# Altium PCB LM-003.PcbDoc (part 1 of 2)
Units mm, origin at the board's own origin, x right, y up, seen from the top; angles counter-clockwise.
Board outline 77.62 x 215.9 mm, 4 copper layers (Top Layer, +5V, Mid-Layer 2, Bottom Layer), stack 0.778 mm thick; 180 components, 143 nets, 700 pads, 27 vias.
Unrouted connection lines stored in the file: 179.
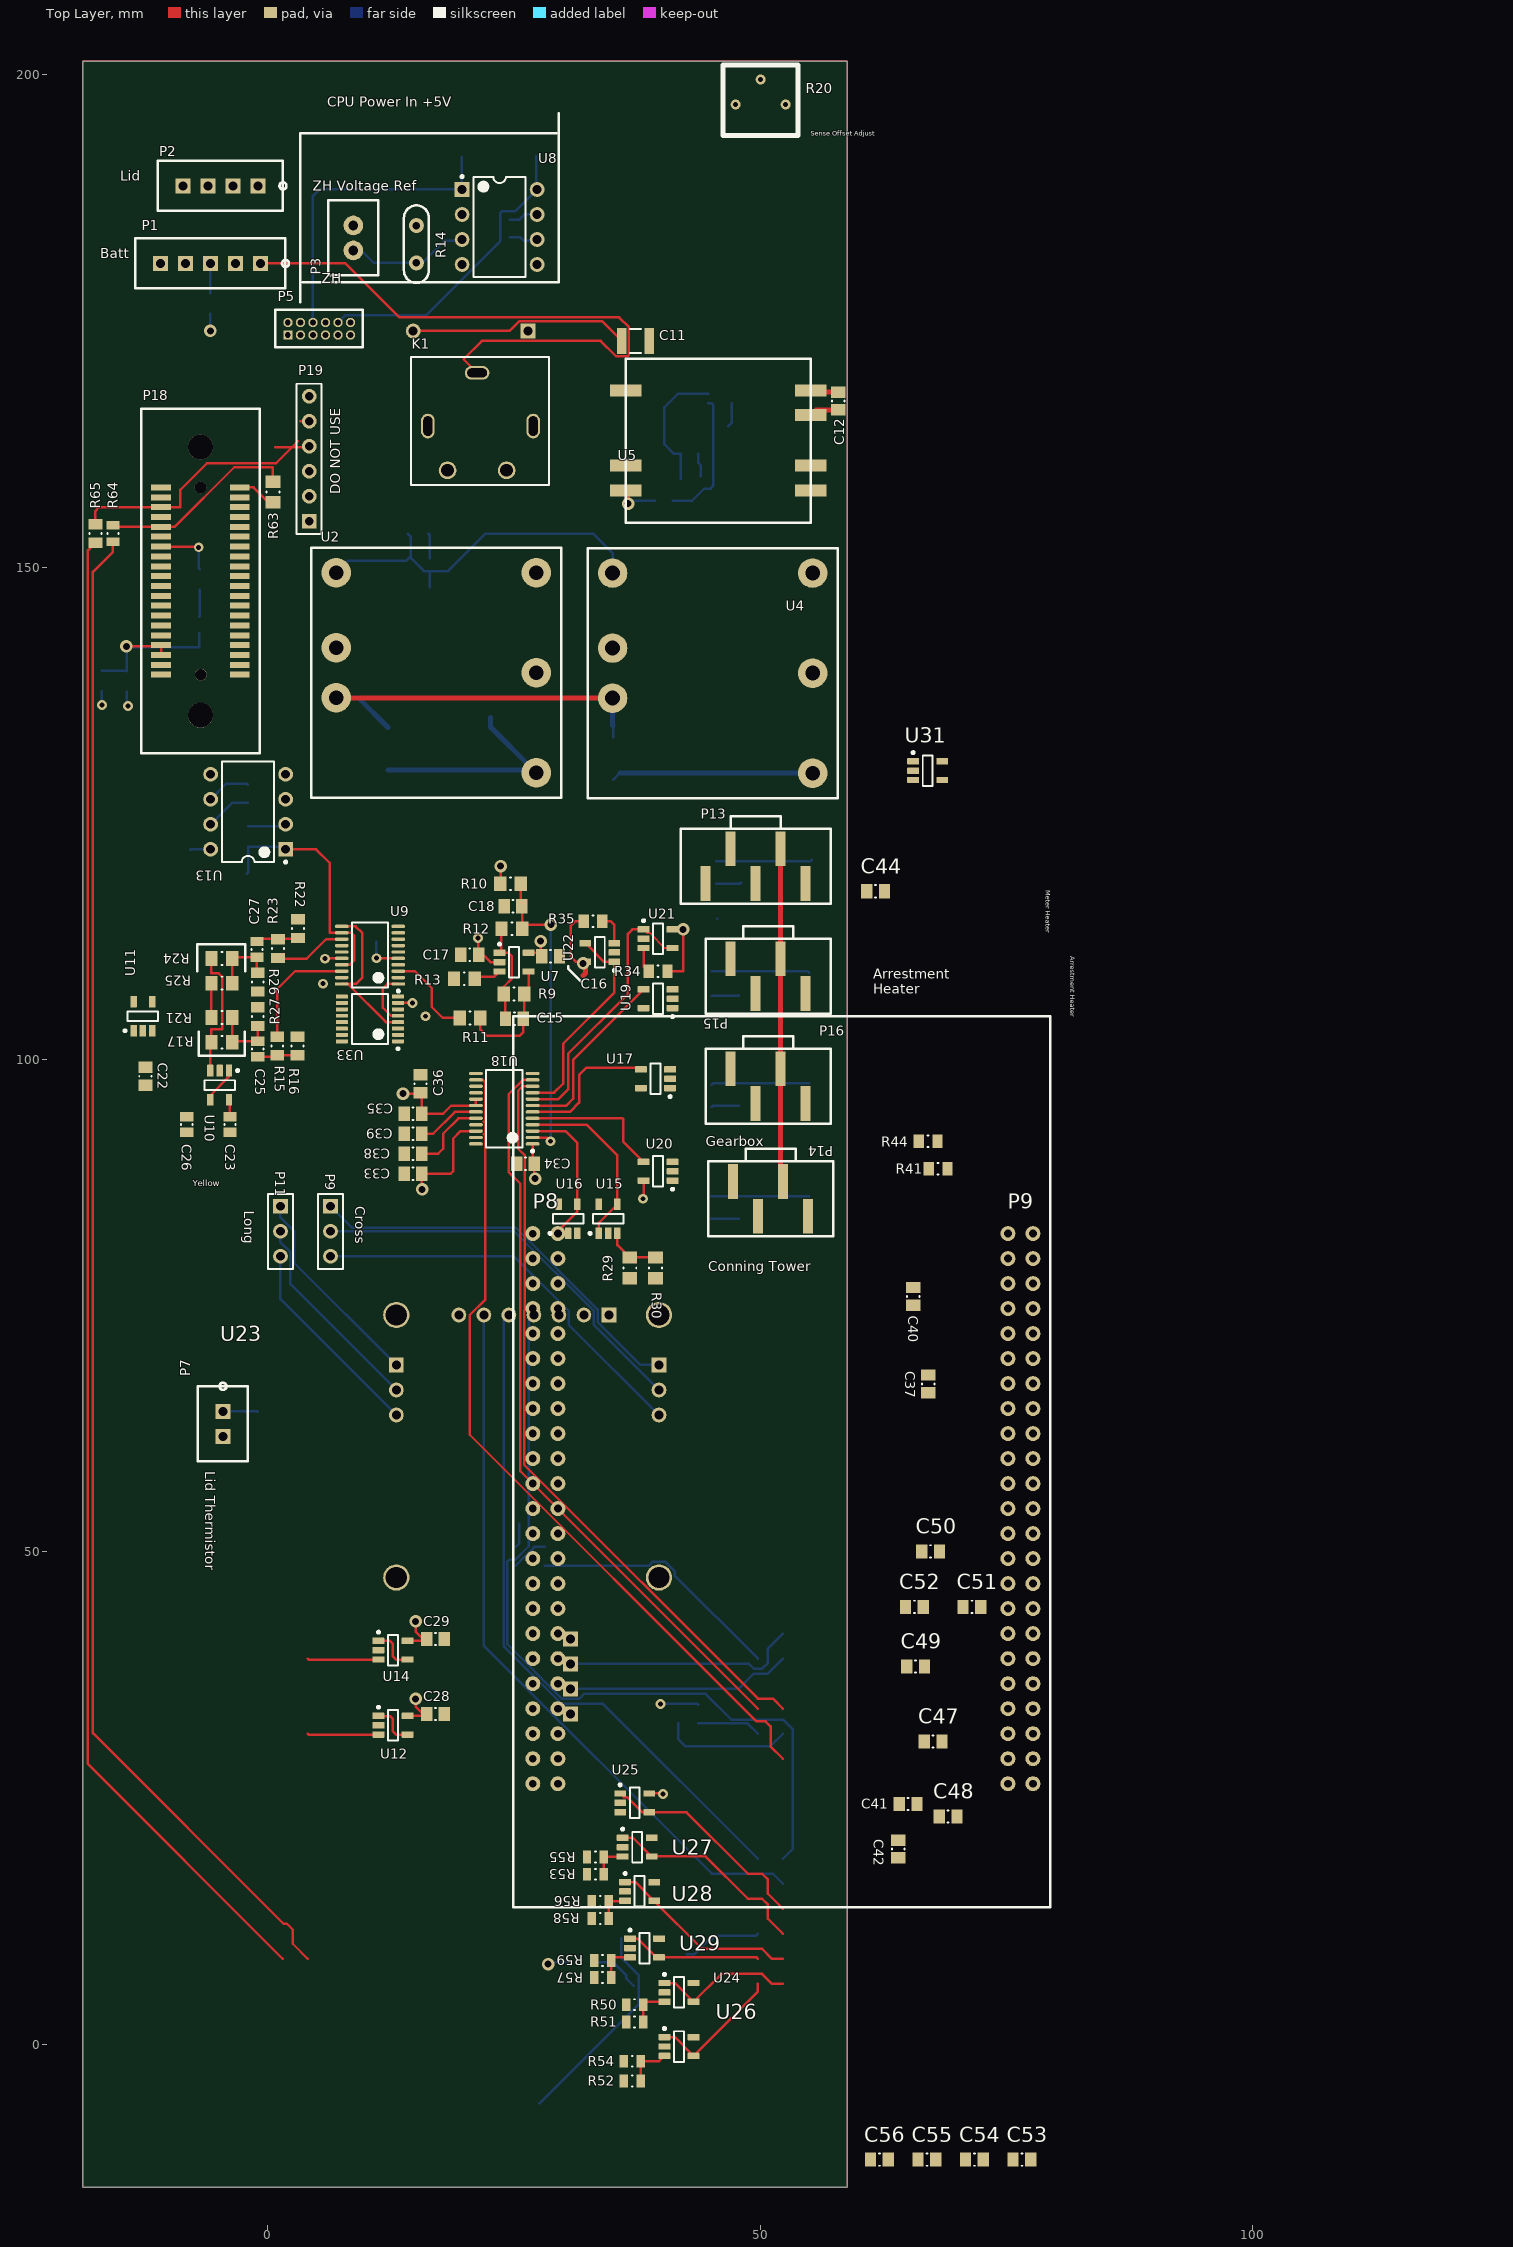
[diagram p0: Top Layer view]
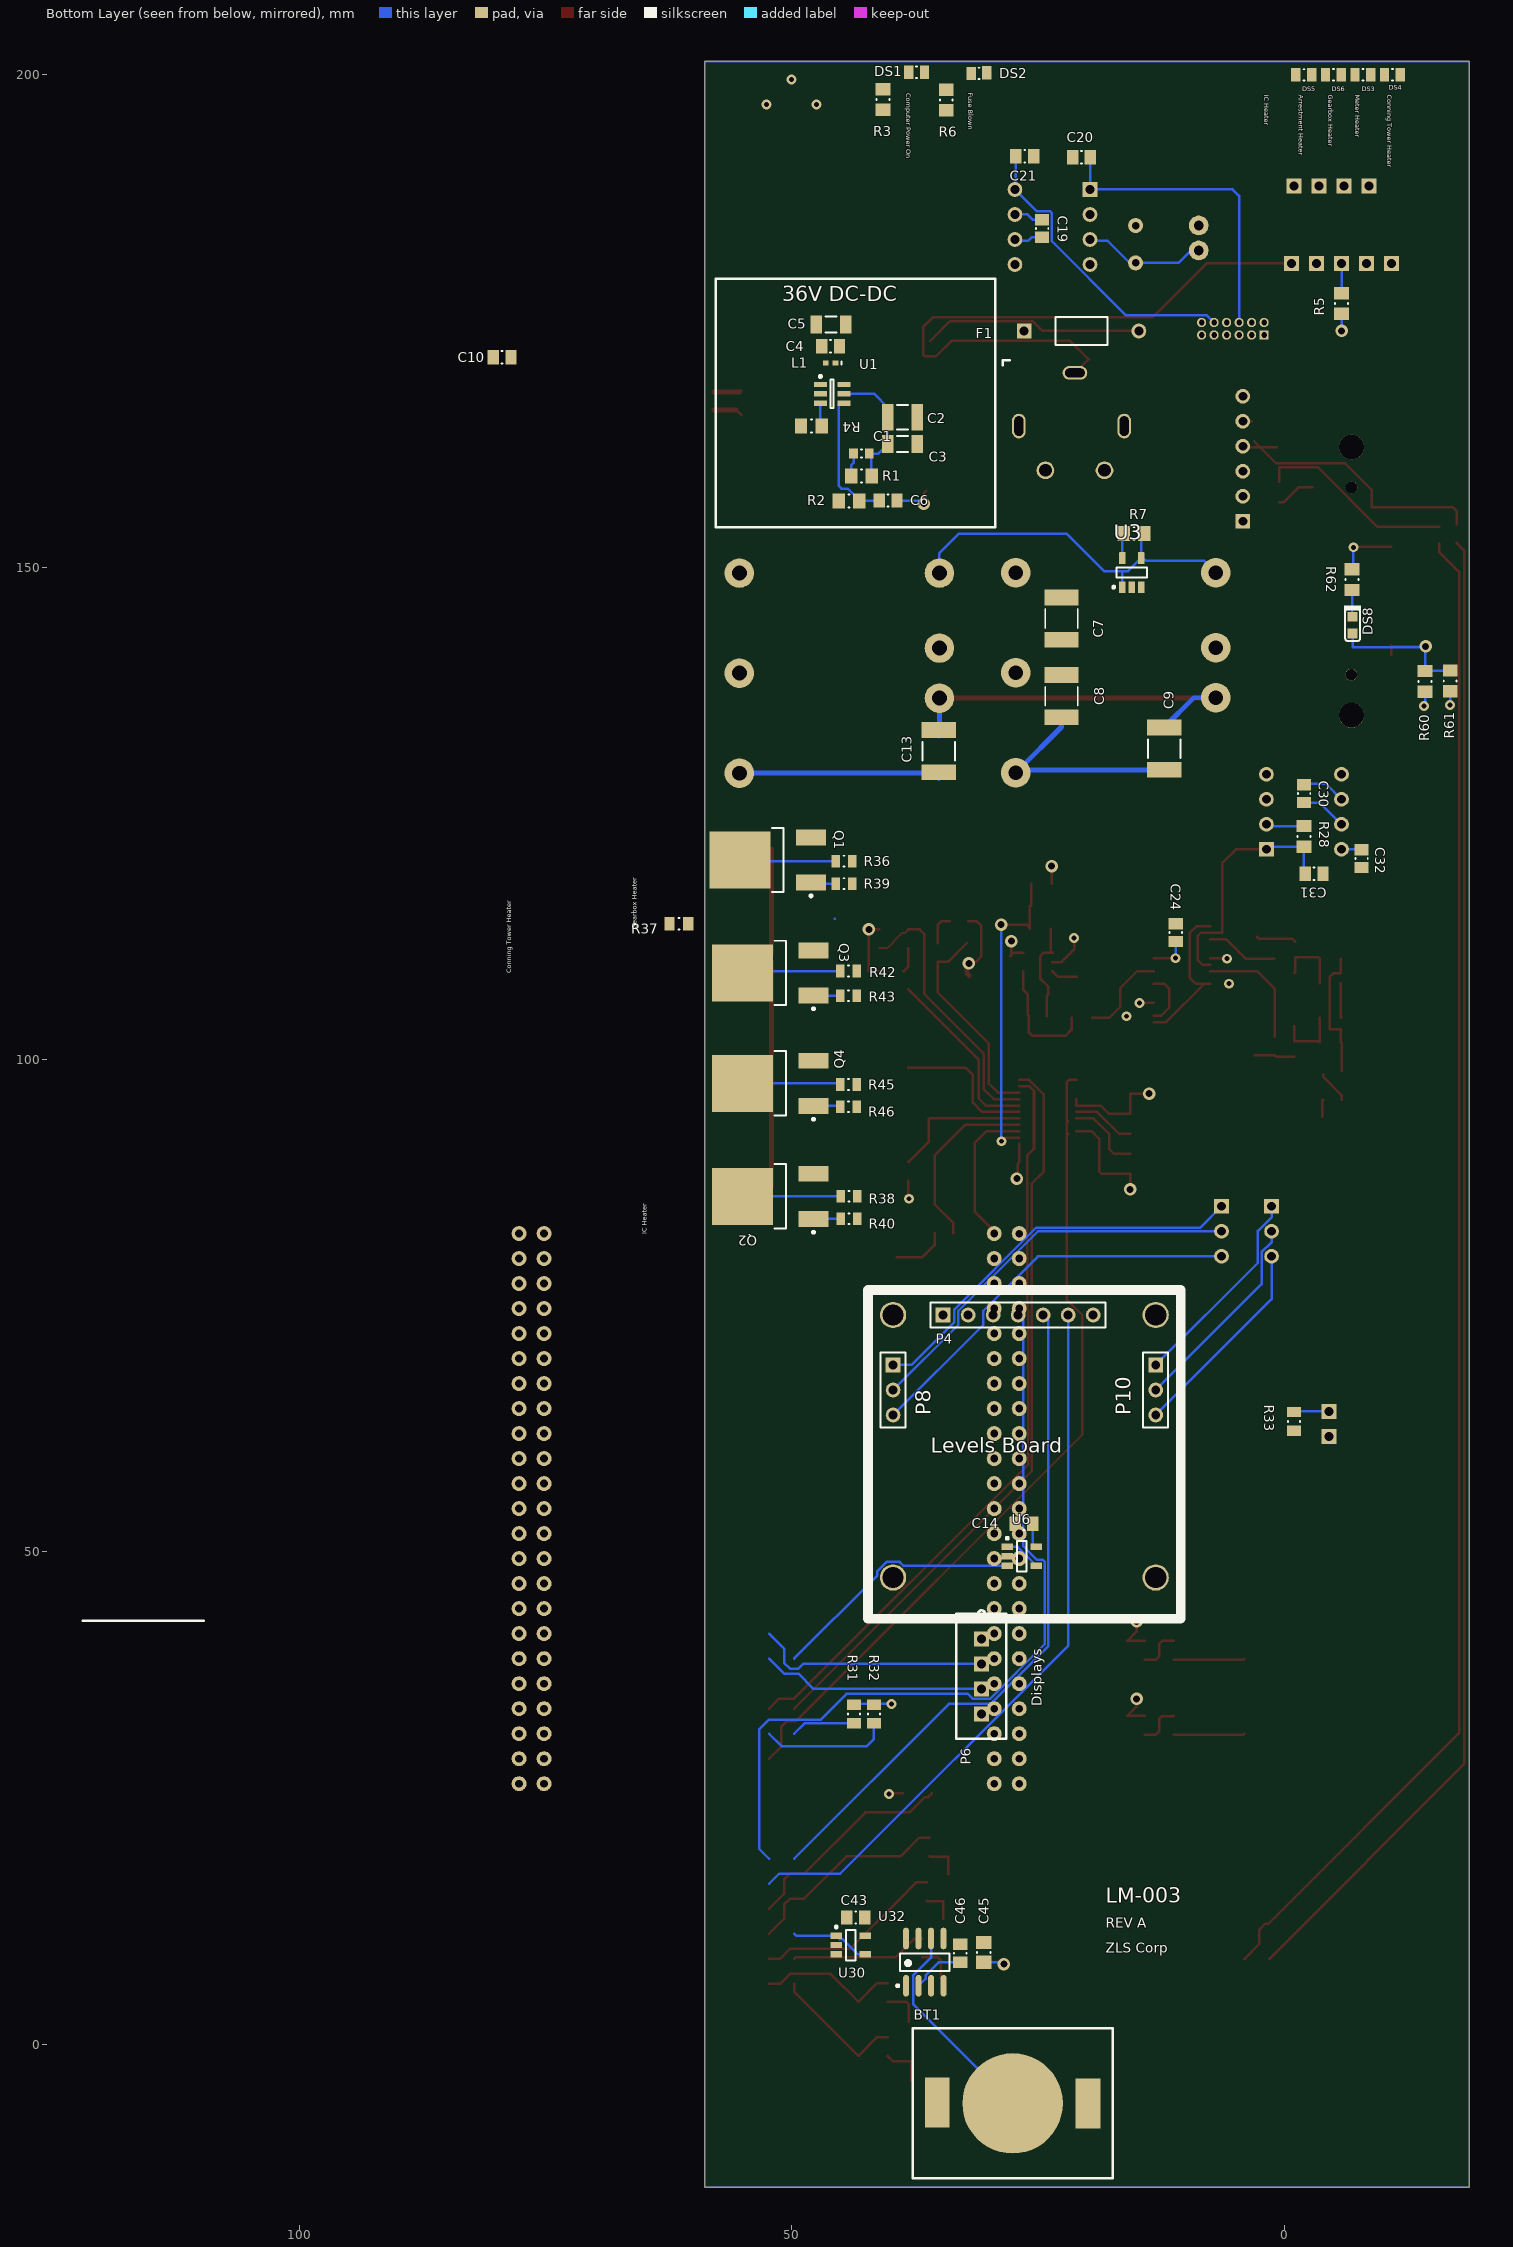
[diagram p1: Bottom Layer view, seen from below]
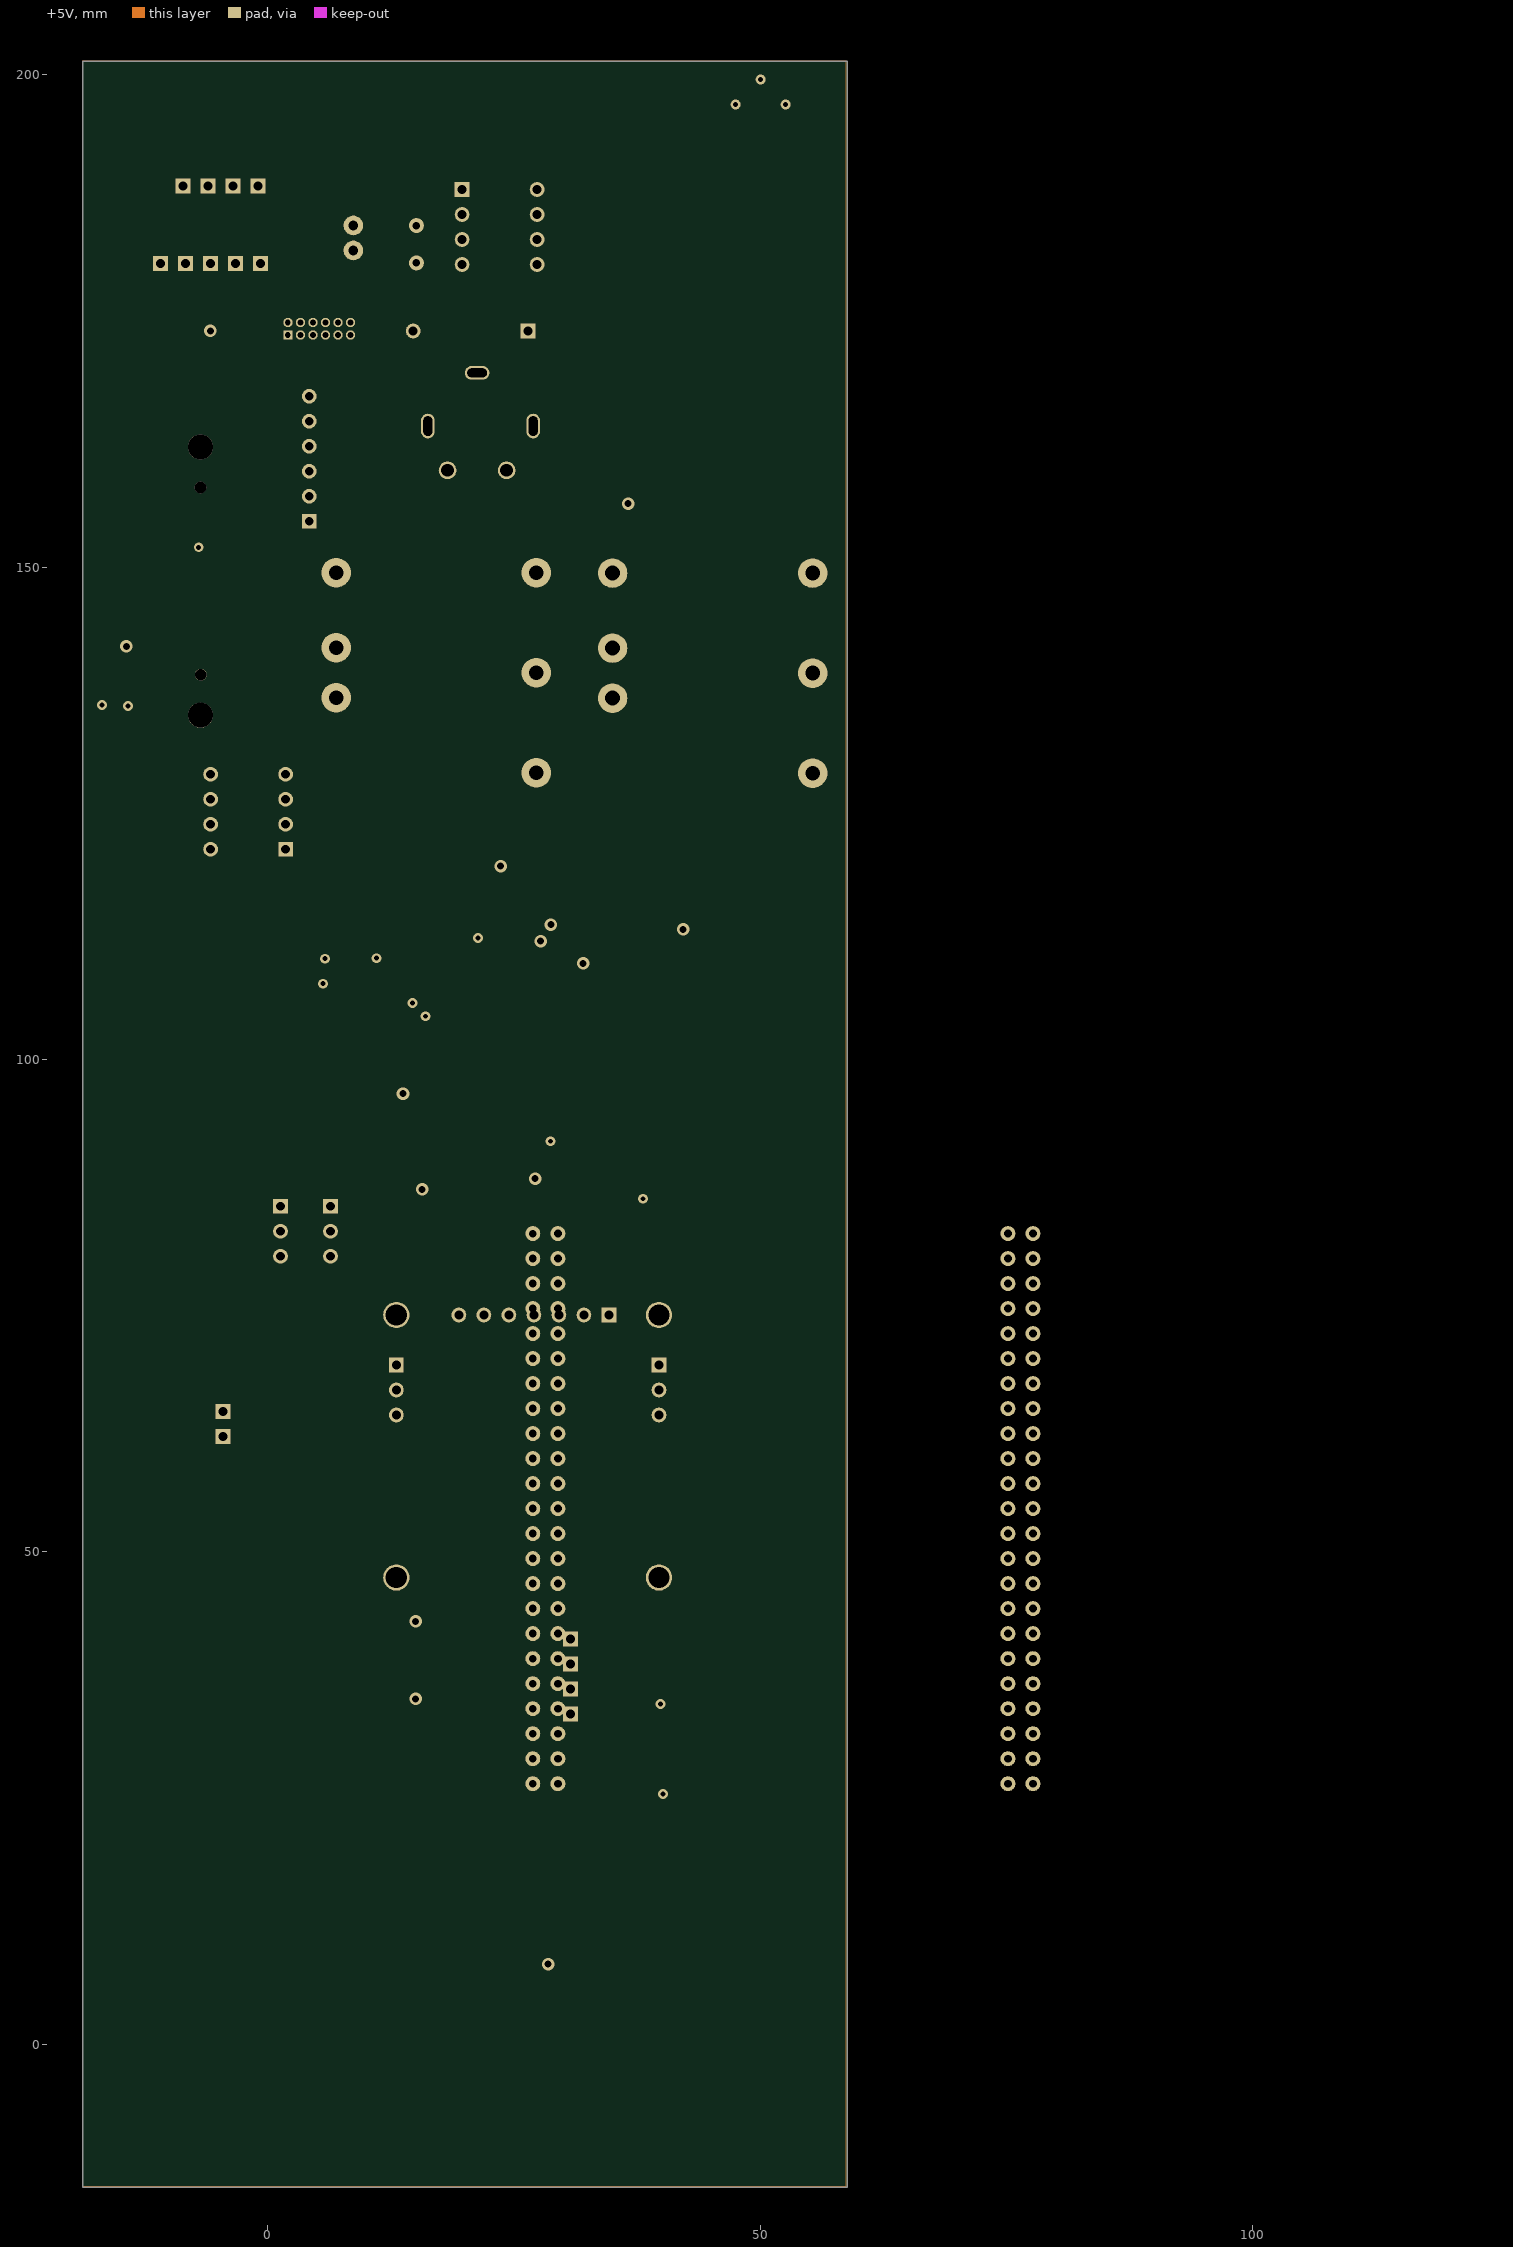
[diagram p2: +5V]

## Layer stack, top to bottom
Top Solder: solder mask 0.0102, Solder Resist, Dk 3.5
Top Layer: signal copper 0.0356
Dielectric 1: core 0.254, FR-4, Dk 4.2
+5V: signal copper 0.036
Dielectric 6: prepreg 0.127, Dk 4.2
Mid-Layer 2: signal copper 0.0356
Dielectric 5: core 0.254, Dk 4.2
Bottom Layer: signal copper 0.0356
Bottom Solder: solder mask 0.0102, Solder Resist, Dk 3.5

## Board outline
-18.796,-14.529 58.822,-14.529 58.822,201.371 -18.796,201.371

## Design rules (kind name [scope] priority, off if disabled: settings)
Clearance [All] p1: gap=0.127 ignorepadtopadclearanceinfootprint=FALSE except(0: Arc-Hole Track-Hole SMDPad-Hole THPad-Hole Via-Hole Fill-Hole Poly-Hole Region-Hole Text-Hole)
ComponentClearance [All] p1: gap=0.229 collisioncheckmode=3 verticalgap=0.254 showdistances=FALSE
HoleSize [All] p1: absolutevalues=TRUE maxlimit=5 minlimit=0.254 maxpercent=80.000 minpercent=20.000
MinimumAnnularRing [All] p1: minimumring=0.178
MinimumSolderMaskSliver [All] p1: minsoldermaskwidth=0.038
PolygonConnect [All] p1: connectstyle=Relief reliefconductorwidth=0.254 reliefentries=4 polygonreliefangle="90 Angle" airgapwidth=0.254
RoutingVias [All] p1: holewidth=0.3 width=0.7 viastyle="Through Hole" minholewidth=0.1 minwidth=0.6 maxholewidth=0.711 maxwidth=1.27
SilkToSilkClearance [All] p1: silktosilkclearance=0.1
SilkToSolderMaskClearance [IsPad] p1: minsilkscreentomaskgap=0.064 clearancetoexposedcopper=TRUE
SolderMaskExpansion [All] p1: expansion=0.152
Width [All] p1: maxlimit=1 minlimit=0.127 preferedwidth=0.254
25 further rules are at their usual default settings.

## Classes and differential pairs
component class RS232: DS8 P18 P19 R60 R61 R62 R63 R64 R65
component class "Real Time Clock": BT1 C44 C45 C46 U31 U32
component class Power: C1 C2 C3 C4 C5 C6 C7 C8 C9 C10 C11 C12 C13 DS1 DS2 F1 K1 L1 P1 P2 R1 R2 R3 R4 R5 R6 R7 U1 U2 U3 U4 U5
component class "Power Monitor": C41 C42 C43 C53 C54 C55 C56 R50 R51 R52 R53 R54 R55 R56 R57 R58 R59 U24 U25 U26 U27 U28 U29 U30
component class heater_control: DS3 DS4 DS5 DS6 P13 P14 P15 P16 Q1 Q2 Q3 Q4 R34 R35 R36 R37 R38 R39 R40 R41 R42 R43 R44 R45 R46
component class FeedbackLoop: C14 C15 C16 C17 C18 C19 C20 C21 C22 C23 C24 C25 C26 C27 C28 C29 C30 C31 C32 P3 R9 R10 R11 R12 R13 R14 R15 R16 R17 R18 R20 R21 R22 R23 R24 R25 R26 R27 R28 TP5 TP10 TP11 TP12 TP13 TP20 TP25 U6 U7 U8 U9 U10 U11 U12 U13 U14 U33
component class Connectors: P4 P5 P6 P7 P8 P9 P10 P11 R33
component class "BBB Headers": R31 R32 U23
component class ADC: C33 C34 C35 C36 C37 C38 C39 C40 C47 C48 C49 C50 C51 C52 R29 R30 TP6 TP7 TP8 TP9 U15 U16 U17 U18 U19 U20 U21 U22

## Components (designator, comment, footprint, x,y, rotation, side; value= is the part's Value field where it differs from the comment)
BT1 "Battery Holder - BK-916-TR" BK-916-TR 27.567,-6.029 r180 bottom
C1 "CAP CER 22PF 50V X7R 0603" CAPC0603(1608)100_N 42.926,161.544 r180 bottom
C2 "CAP CER 1UF 50V X7R 1210" CAPC1210(3225)100_N 38.76,165.227 r0 bottom
C3 "CAP CER 0.47UF 50V X7R 1206" CAPC1206(3216)190_N 38.746,162.503 r0 bottom
C4 "CAP CER 1UF 16V X7R 0805" CAPC0805(2012)145_N 46.046,172.453 r180 bottom
C5 "CAP CER 4.7UF 16V X7R 1206" CAPC1206(3216)130_N 46.025,174.65 r180 bottom
C6 "CAP CER 0.047UF 16V X7R 0603" CAPC0805(2012)145_N 40.208,156.769 r0 bottom
C7 "CAP CER 470PF 3KV X7R 1812" CAPC1812(4532)230_M 22.606,144.78 r270 bottom
C8 "DNP" CAPC1812(4532)230_M 22.606,136.906 r90 bottom
C9 "CAP CER 470PF 3KV X7R 1812" CAPC1812(4532)230_M 12.192,131.572 r270 bottom
C10 "CAP CER 10000PF 25V X7R 0805" CAPC0805(2012)145_N 79.426,171.323 r180 bottom
C11 "CAP CER 1UF 50V X7R 1210" CAPC1210(3225)100_L 37.338,172.974 r180 top
C12 "CAP CER 10UF 10V X7R 0805" CAPC0805(2012)145_N 57.912,166.878 r90 top
C13 "CAP CER 470PF 3KV X7R 1812" CAPC1812(4532)230_M 35.052,131.318 r270 bottom
C14 "CAP 100nF 25V 0805(2012)" CAPC0805(2012)100_N 26.416,52.832 r0 bottom
C15 "CAP CER 0.47UF 25V X7R 0805" CAPC0805(2012)145_N 25.019,104.14 r180 top
C16 "CAP CER 0.1UF 16V X7R 0805" CAPC0805(2012)145_N 28.702,110.49 r0 top
C17 "CAP CER 0.1UF 25V X7R 0805" CAPC0805(2012)145_N 20.496,110.639 r0 top
C18 "CAP CER 10PF 200V C0G/NP0 0805" CAPC0805(2012)145_N 24.892,115.57 r180 top
C19 "CAP 100nF 25V 0805(2012)" CAPC0805(2012)100_N 24.578,184.401 r270 bottom
C20 "CAP CER 0.1UF 25V X7R 0805" CAPC0805(2012)145_N 20.574,191.643 r0 bottom
C21 "Multilayer Ceramic Capacitors MLCC - SMD/SMT 0.01uF 50volts 10% X7R" CAPC0805(2012)145_N 26.34,191.745 r180 bottom
C22 "CAP CER 0.1UF 25V X7R 0805" CAPC0805(2012)145_N -12.446,98.298 r90 top
C23 "CAP CER 0.1UF 25V X7R 0805" CAPC0805(2012)155_L -3.861,93.398 r90 top
C24 "CAP CER 0.1UF 25V X7R 0805" CAPC0805(2012)145_N 10.998,112.879 r90 bottom
C25 "CAP CER 1UF 25V X7R 0805" CAPC0805(2012)155_L -1.041,101.067 r270 top
C26 "CAP CER 0.1UF 25V X7R 0805" CAPC0805(2012)155_L -8.255,93.398 r90 top
C27 "CAP CER 1UF 25V X7R 0805" CAPC0805(2012)155_L -1.118,111.176 r90 top
C28 "CAP CER 0.1UF 16V X7R 0805" CAPC0805(2012)145_N 17.018,33.528 r0 top
C29 "CAP CER 0.1UF 16V X7R 0805" CAPC0805(2012)145_N 17.018,41.148 r0 top
C30 "CAP 100nF 25V 0805(2012)" CAPC0805(2012)100_N -2.032,127 r90 bottom
C31 "CAP CER 0.1UF 25V X7R 0805" CAPC0805(2012)145_N -3.048,118.872 r180 bottom
C32 "Multilayer Ceramic Capacitors MLCC - SMD/SMT 0.01uF 50volts 10% X7R" CAPC0805(2012)145_N -7.874,120.396 r270 bottom
C33 "CAP CER 0.1UF 25V X7R 0805" CAPC0805(2012)145_N 14.732,88.392 r180 top
C34 "CAP CER 0.1UF 25V X7R 0805" CAPC0805(2012)145_N 26.162,89.408 r180 top
C35 "CAP CER 0.1UF 25V X7R 0805" CAPC0805(2012)145_N 14.732,94.488 r180 top
C36 "CAP CER 0.1UF 25V X7R 0805" CAPC0805(2012)145_N 15.494,97.536 r90 top
C37 "CAP CER 0.1UF 16V X7R 0805" CAPC0805(2012)145_N 67.056,67.056 r270 top
C38 "CAP CER 1UF 16V X7R 0805" CAPC0805(2012)145_N 14.732,90.424 r180 top
C39 "CAP CER 0.1UF 16V X7R 0805" CAPC0805(2012)145_N 14.732,92.456 r180 top
C40 "CAP CER 0.1UF 16V X7R 0805" CAPC0805(2012)145_N 65.532,75.946 r270 top
C41 "CAP CER 0.1UF 25V X7R 0805" CAPC0805(2012)145_N 65.024,24.384 r180 top
C42 "CAP CER 0.1UF 25V X7R 0805" CAPC0805(2012)145_N 64.008,19.812 r270 top
C43 "CAP CER 0.1UF 16V X7R 0805" CAPC0805(2012)145_N 43.505,12.851 r180 bottom
C44 "CAP CER 0.1UF 16V X7R 0805" CAPC0805(2012)145_N 61.722,117.094 r0 top
C45 "CAP 1uF 25V 0805(2012)" CAPC0805(2012)100_M 30.492,9.321 r90 bottom
C46 "CAP 100nF 25V 0805(2012)" CAPC0805(2012)100_N 32.892,9.221 r90 bottom
C47 "CAP CER 0.1UF 16V X7R 0805" CAPC0805(2012)145_N 67.564,30.734 r0 top
C48 "CAP CER 0.1UF 16V X7R 0805" CAPC0805(2012)145_N 69.088,23.114 r0 top
C49 "CAP CER 0.1UF 16V X7R 0805" CAPC0805(2012)145_N 65.786,38.354 r0 top
C50 "CAP CER 0.1UF 16V X7R 0805" CAPC0805(2012)145_N 67.31,50.038 r0 top
C51 "CAP CER 0.1UF 16V X7R 0805" CAPC0805(2012)145_N 71.492,44.399 r0 top
C52 "CAP CER 0.1UF 16V X7R 0805" CAPC0805(2012)145_N 65.65,44.399 r0 top
C53 "CAP CER 0.1UF 16V X7R 0805" CAPC0805(2012)145_N 76.572,-11.735 r0 top
C54 "CAP CER 0.1UF 16V X7R 0805" CAPC0805(2012)145_N 71.746,-11.735 r0 top
C55 "CAP CER 0.1UF 16V X7R 0805" CAPC0805(2012)145_N 66.92,-11.735 r0 top
C56 "CAP CER 0.1UF 16V X7R 0805" CAPC0805(2012)145_N 62.094,-11.735 r0 top
DS1 "Lite-On LTST-S220KGKT Green LED, 571 nm 2012 (0805) Side View, Rectangle Lens SMD package" 0805C_L#1 37.317,200.28 r0 bottom
DS2 "Lite-On LTST-S220KGKT Green LED, 571 nm 2012 (0805) Side View, Rectangle Lens SMD package" 0805C_L#2 30.988,200.152 r0 bottom
DS3 "Visible Name Value Type    False Description Lite-On LTST-S220KRKT Red LED, 631 nm 2012 (0805) Side View, Rectangle Lens SMD package STRING" 0805C_L#1 -8,200 r0 bottom
DS4 "Visible Name Value Type    False Description Lite-On LTST-S220KRKT Red LED, 631 nm 2012 (0805) Side View, Rectangle Lens SMD package STRING" 0805C_L#1 -11,200 r0 bottom
DS5 "Visible Name Value Type    False Description Lite-On LTST-S220KRKT Red LED, 631 nm 2012 (0805) Side View, Rectangle Lens SMD package STRING" 0805C_L#1 -2,200 r0 bottom
DS6 "Visible Name Value Type    False Description Lite-On LTST-S220KRKT Red LED, 631 nm 2012 (0805) Side View, Rectangle Lens SMD package STRING" 0805C_L#1 -5,200 r0 bottom
DS8 "Blue LED" KING-LED0603-25-GREEN_V -6.96,144.12 r270 bottom
F1 "Fuse 1" PIN-W2/E2.8 20.574,173.99 r180 bottom
K1 "CP1-12V" PNSC-CP1-12V_V 21.59,164.338 r180 top
L1 "FIXED IND 47UH 170MA 1.3 OHM SMD" 0402-A 46.05,170.739 r0 bottom
P1 "IPL1-105-01-F-S-RA-K" IPL1-105-1 -0.762,180.848 r180 top
P2 "IPL1-104-01-L-S-RA-K" IPL1-104-01 -1.016,188.722 r180 top
P3 "LOW PROFILE .025\" SQUARE STRIPS" CES-102-01-L-S 8.67,182.171 r90 top
P4 "Header 7" HDR1X7 34.63,74.05 r180 bottom
P5 "FTE-106-01-G-DV" FTSH-106-01 2.032,173.584 r0 top
P6 "IPL1-104-01-L-S-RA-K" IPL1-104-01 30.734,41.148 r270 bottom
P7 "IPL1-102-01-L-S-RA-K" IPL1-102-01 -4.572,62.992 r270 top
P8 "Header 3" HDR1X3 39.71,68.97 r270 bottom
P9 "Header 3" HDR1X3 6.35,85.09 r270 top
P10 "Header 3" HDR1X3 13.04,68.97 r270 bottom
P11 "Header 3" HDR1X3 1.27,85.09 r270 top
P13 "IPL1-105-02-F-S-K" IPL1-105-02-F-S-K 54.61,119.634 r180 top
P14 "IPL1-104-02-F-S-K" IPL1-104-02-F-S 54.864,85.852 r180 top
P15 "IPL1-104-02-F-S-K" IPL1-104-02-F-S 54.61,108.458 r180 top
P16 "IPL1-104-02-F-S-K" IPL1-104-02-F-S 54.61,97.282 r180 top
P18 "FSI-120-03-G-D-E-AB" FSI-120-03-G-D-E-AB -6.858,148.59 r90 top
P19 "Header 100 mil (2.54 mm)" HDR1X6 4.191,154.661 r90 top
Q1 "NTD4804NT4G" ONSC-DPAK-3-369AA-01_V 52.45,120.262 r0 bottom
Q2 "NTD4804NT4G" ONSC-DPAK-3-369AA-01_V 52.196,86.095 r0 bottom
Q3 "NTD4804NT4G" ONSC-DPAK-3-369AA-01_V 52.196,108.788 r0 bottom
Q4 "NTD4804NT4G" ONSC-DPAK-3-369AA-01_V 52.196,97.569 r0 bottom
R1 "RES SMD 280K OHM 1% 1/8W 0805" RESC0805(2012)_M 42.926,159.258 r0 bottom
R2 "RES SMD 0.0 OHM JUMPER 1/8W 0805" RESC0805(2012)_M 44.196,156.718 r180 bottom
R3 "RES SMD 10K OHM 1% 1/8W 0805" RESC0805(2012)_M 40.75,197.5 r90 bottom
R4 "RES SMD 10K OHM 1% 1/8W 0805" RESC0805(2012)_M 48.006,164.338 r0 bottom
R5 "300K 5% 0805(2012)" RESC0805(2012)_M -5.842,176.784 r270 bottom
R6 "RES SMD 4.7K OHM 1% 1/8W 0805" RESC0805(2012)_M 34.317,197.456 r90 bottom
R7 "RES SMD 100K OHM 1% 1/8W 0805" RESC0805(2012)_M 15.24,153.416 r180 bottom